# KiCad board half-bridge.kicad_pcb
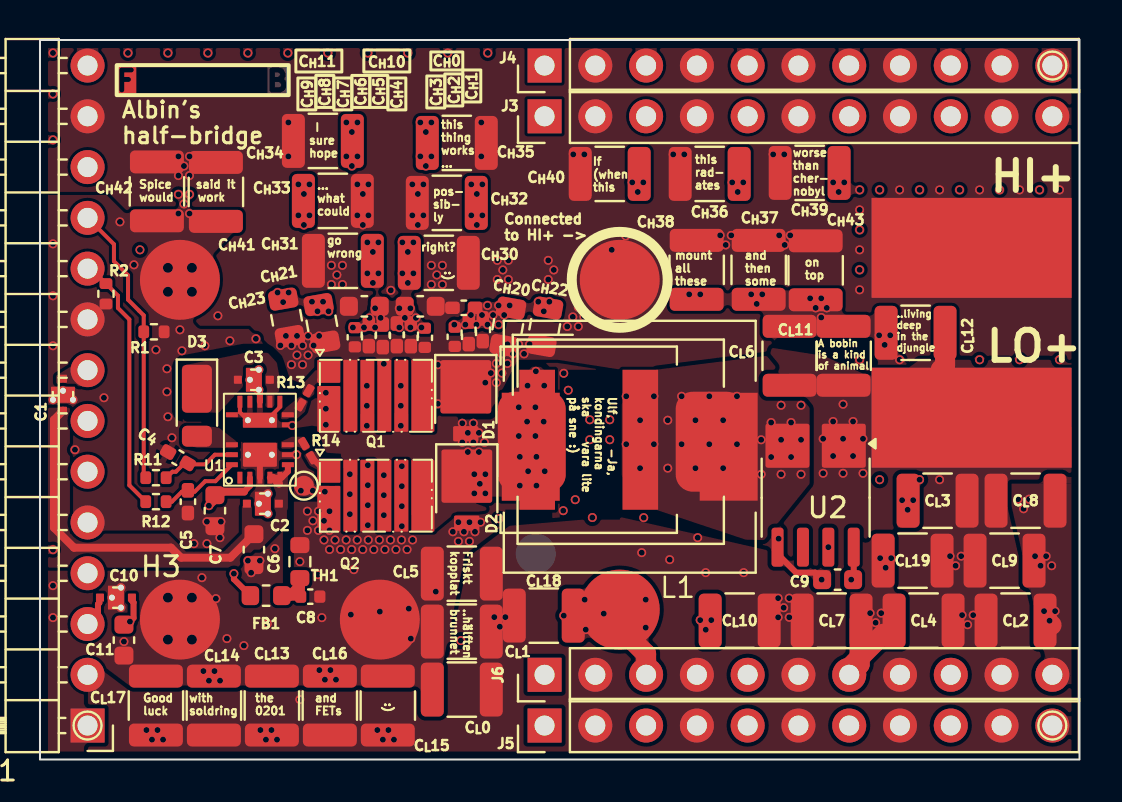
[diagram p0: board, top side]
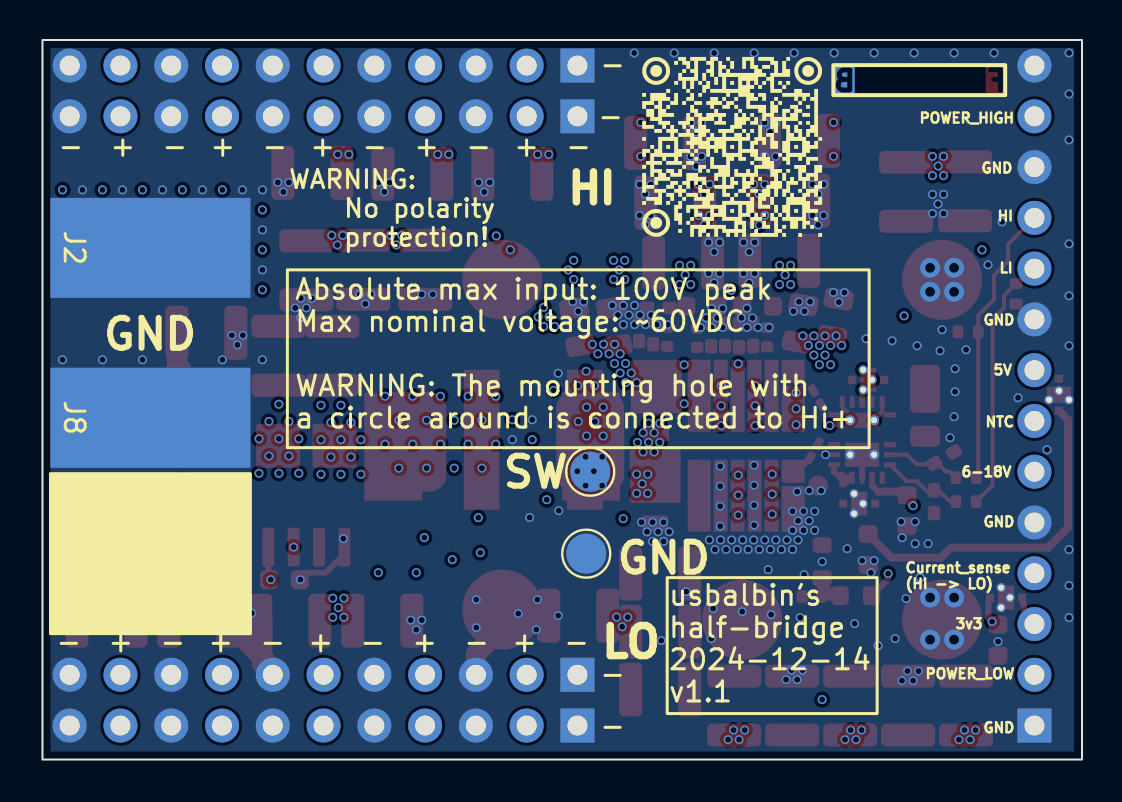
[diagram p1: board, bottom side, seen from below]

Outline 52 x 36 mm; copper layers: Top, In1.Cu, In2.Cu, In3.Cu, In4.Cu, In5.Cu, In6.Cu, Bottom. Coordinates in mm from the lower left corner of the outline.
Outline path: rectangle 0,36 52,0
Stack: Top 0.035mm / dielectric 0.069mm 1080*1 er 3.91 / In1.Cu 0.035mm / dielectric 0.6mm FR4 er 4.5 / In2.Cu 0.03mm / dielectric 0.094mm 2116*1 er 4.16 / In3.Cu 0.03mm / dielectric 0.6mm FR4 er 4.5 / In4.Cu 0.03mm / dielectric 0.069mm 1080*1 er 3.91 / In5.Cu 0.035mm / dielectric 0mm FR4 er 4.5 / In6.Cu 0.035mm / dielectric 0mm FR4 er 4.5 / Bottom 0.035mm

## Placement (name value [footprint] x y rotation side)
C1  YFF18PW0J474M  [C_0603_1608Metric_Feedthrough_W_0.45Vias]  1.15 18.25 270 top
C2  YFF18PW0J474M  [C_0603_1608Metric_Feedthrough_W_0.45Vias]  11.15 12.8 0 top
C3  YFF18PW0J474M  [C_0603_1608Metric_Feedthrough_W_0.45Vias]  10.7 19 0 top
C4  ?pF  [C_0402_1005Metric_Pad0.74x0.62mm_HandSolder]  6.9 15.1 150 top
C5  ?pF  [C_0402_1005Metric_Pad0.74x0.62mm_HandSolder]  7.4 12.9 270 top
C6  10u  [C_0603_1608Metric]  10.7 10.5 270 top
C7  10u  [C_0603_1608Metric]  8.75 12.45 270 top
C8  100nF  [C_0402_1005Metric]  13.52 8.15 0 top
C9  C_Small  [C_0603_1608Metric]  39.9 9 0 top
C10  YFF18PW0J474M  [C_0603_1608Metric_Feedthrough_W_0.45Vias]  3.8 8.1 0 top
C11  10u  [C_0603_1608Metric]  4.2 5.97 270 top
C_{H}0  cap=64nF esr=16.09m srf=17.58MEG  [C_0402_1005Metric_Pad0.74x0.62mm_HandSolder]  21.2 22.6 0 top
C_{H}1  cap=64nF esr=16.09m srf=17.58MEG  [C_0402_1005Metric_Pad0.74x0.62mm_HandSolder]  22.15 21.5 90 top
C_{H}2  cap=64nF esr=16.09m srf=17.58MEG  [C_0402_1005Metric_Pad0.74x0.62mm_HandSolder]  21.45 21.35 90 top
C_{H}3  cap=64nF esr=16.09m srf=17.58MEG  [C_0402_1005Metric]  20.75 21.15 90 top
C_{H}4  cap=64nF esr=16.09m srf=17.58MEG  [C_0402_1005Metric]  19.25 21.1 90 top
C_{H}5  cap=64nF esr=16.09m srf=17.58MEG  [C_0402_1005Metric_Pad0.74x0.62mm_HandSolder]  18.55 21.25 90 top
C_{H}6  cap=64nF esr=16.09m srf=17.58MEG  [C_0402_1005Metric_Pad0.74x0.62mm_HandSolder]  17.85 21.25 90 top
C_{H}7  cap=64nF esr=16.09m srf=17.58MEG  [C_0402_1005Metric_Pad0.74x0.62mm_HandSolder]  17.15 21.2 90 top
C_{H}8  cap=64nF esr=16.09m srf=17.58MEG  [C_0402_1005Metric_Pad0.74x0.62mm_HandSolder]  16.45 21.25 90 top
C_{H}9  cap=64nF esr=16.09m srf=17.58MEG  [C_0402_1005Metric]  15.75 21.12 90 top
C_{H}10  cap=64nF esr=16.09m srf=17.58MEG  [C_0603_1608Metric]  19.02 22.67 180 top
C_{H}11  cap=64nF esr=16.09m srf=17.58MEG  [C_0603_1608Metric]  16.22 22.67 0 top
C_{H}20  10nF  [C_0805_2012Metric]  23.4 21.65 80 top
C_{H}21  10nF  [C_0805_2012Metric]  14.1 21.83 100 top
C_{H}22  10nF  [C_0805_2012Metric]  25.25 21.65 80 top
C_{H}23  cap=10nF esr=26.96 srf=43.8  [C_0805_2012Metric]  12.34 22.1 100 top
C_{H}30  10uF  [C_1210_3225Metric]  19.95 24.85 180 top
C_{H}31  10uF  [C_1210_3225Metric]  15.15 24.95 0 top
C_{H}32  10uF  [C_1210_3225Metric]  20.35 27.85 0 top
C_{H}33  10uF  [C_1210_3225Metric]  14.65 27.95 180 top
C_{H}34  10uF  [C_1210_3225Metric]  14.15 30.95 0 top
C_{H}35  10uF  [C_1210_3225Metric]  20.85 30.85 180 top
C_{H}36  10uF  [C_1210_3225Metric]  33.5 29.3 0 top
C_{H}37  10uF  [C_1210_3225Metric]  35.95 24.5 270 top
C_{H}38  10uF  [C_1210_3225Metric]  32.85 24.5 270 top
C_{H}39  10uF  [C_1210_3225Metric]  38.5 29.35 0 top
C_{H}40  10uF  [C_1210_3225Metric]  28.5 29.3 0 top
C_{H}41  10uF  [C_1210_3225Metric]  8.8 28.4 270 top
C_{H}42  10uF  [C_1210_3225Metric]  5.85 28.42 270 top
C_{H}43  10uF  [C_1210_3225Metric]  38.8 24.47 270 top
C_{L}0  10uF  [C_1210_3225Metric]  21.1 3.5 180 top
C_{L}1  10uF  [C_1210_3225Metric]  21.1 6.4 180 top
C_{L}2  10uF  [C_1210_3225Metric]  48.8 6.95 0 top
C_{L}3  10uF  [C_1210_3225Metric]  44.9 12.95 180 top
C_{L}4  10uF  [C_1210_3225Metric]  44.2 6.95 180 top
C_{L}5  10uF  [C_1210_3225Metric]  21.1 9.3 180 top
C_{L}6  10uF  [C_1210_3225Metric]  37.5 20.2 90 top
C_{L}7  10uF  [C_1210_3225Metric]  39.6 6.95 0 top
C_{L}8  10uF  [C_1210_3225Metric]  49.3 12.95 0 top
C_{L}9  10uF  [C_1210_3225Metric]  48.25 9.95 0 top
C_{L}10  10uF  [C_1210_3225Metric]  35 6.95 180 top
C_{L}11  10uF  [C_1210_3225Metric]  40.2 20.2 90 top
C_{L}12  10uF  [C_1210_3225Metric]  43.8 21.35 180 top
C_{L}13  10uF  [C_1210_3225Metric]  11.6 2.7 90 top
C_{L}14  10uF  [C_1210_3225Metric]  8.7 2.7 90 top
C_{L}15  10uF  [C_1210_3225Metric]  17.4 2.7 90 top
C_{L}16  10uF  [C_1210_3225Metric]  14.5 2.7 90 top
C_{L}17  10uF  [C_1210_3225Metric]  5.8 2.7 90 top
C_{L}18  10uF  [C_1210_3225Metric]  25.2 7.2 0 top
C_{L}19  10uF  [C_1210_3225Metric]  43.65 9.95 180 top
D1  D_Schottky  [D_SMP_DO-220AA]  21.3 17.95 270 top
D2  D_Schottky  [D_SMP_DO-220AA]  21.35 13.48 270 top
D3  DFLS1200  [D_PowerDI-123]  7.85 17.7 270 top
FB1  FerriteBead  [L_0603_1608Metric]  11.31 8.2 0 top
FID1  Fiducial  [TestPoint_Pad_D1.0mm]  50.64 34.72 0 top
FID2  Fiducial  [TestPoint_Pad_D1.0mm]  50.64 1.7 0 top
FID3  Fiducial  [TestPoint_Pad_D1.0mm]  2.38 1.7 0 top
G***  LOGO  [qr]  17.5 30.65 180 bottom
H1  WE 97730256330  [Mounting_Wuerth_WA-SMSI-M1.6_H2.5mm_ThreadDepth1.5mm_NoNPTH_97730256330]  7 24 0 top
H2  WE 97730256330  [Mounting_Wuerth_WA-SMSI-M1.6_H2.5mm_ThreadDepth1.5mm_NoNPTH_97730256330]  29 24 0 top
H3  WE 97730256330  [Mounting_Wuerth_WA-SMSI-M1.6_H2.5mm_ThreadDepth1.5mm_NoNPTH_97730256330]  7 7 0 top
H4  WE 97730256330  [Mounting_Wuerth_WA-SMSI-M1.6_H2.5mm_ThreadDepth1.5mm_NoNPTH_97730256330]  17 7 0 top
H5  WE 97730256330  [Mounting_Wuerth_WA-SMSI-M1.6_H2.5mm_ThreadDepth1.5mm_NoNPTH_97730256330]  29 7.5 0 top
J1  Conn_01x14  [PinHeader_1x14_P2.54mm_Horizontal]  2.38 1.7 180 top
J2  MountingHole_Pad  [SolderWirePad_1x01_SMD_5x10mm]  46.6 25.6 90 bottom
J3  Conn_01x11_Pin  [PinHeader_1x11_P2.54mm_Vertical]  25.24 32.18 90 top
J4  Conn_01x11_Pin  [PinHeader_1x11_P2.54mm_Vertical]  25.24 34.72 90 top
J5  Conn_01x11_Pin  [PinHeader_1x11_P2.54mm_Vertical]  25.24 1.7 90 top
J6  Conn_01x11_Pin  [PinHeader_1x11_P2.54mm_Vertical]  25.24 4.24 90 top
J7  MountingHole_Pad  [SolderWirePad_1x01_SMD_5x10mm]  46.6 25.6 90 top
J8  MountingHole_Pad  [SolderWirePad_1x01_SMD_5x10mm]  46.6 17.1 90 bottom
J9  MountingHole_Pad  [SolderWirePad_1x01_SMD_5x10mm]  46.6 17.1 90 top
L1  ind=1.76uH esr=9.77m epc=9.28pF  [L_Coilcraft_XAL8080-XXX]  27.45 16 0 top
L4  ~  [L_Wuerth_WE-PD-Typ-LS]  29.5 15.65 0 top  (not fitted)
L5  ~  [L_Bourns_SRP1050WA]  29.05 15.9 0 top  (not fitted)
Q1  EPC2306  [EPC PQFN 3x5 mm]  16.8 18.2 0 top
Q2  EPC2306  [EPC PQFN 3x5 mm]  16.8 13.2 0 top
R1  10k  [R_0402_1005Metric]  5.7 21.4 180 top
R2  10k  [R_0402_1005Metric]  3.3 23.3 90 top
R11  100R  [R_0402_1005Metric]  5.8 14.1 0 top
R12  100R  [R_0402_1005Metric]  5.8 12.9 0 top
R13  2R  [R_0201_0603Metric_Pad0.64x0.40mm_HandSolder]  13.24 18.1 60 top
R14  2R  [R_0201_0603Metric_Pad0.64x0.40mm_HandSolder]  13.4 15.45 300 top
TH1  Thermistor_NTC  [R_0603_1608Metric]  13 9.9 90 top
TP1  TestPoint  [TestPoint_Pad_D2.0mm]  24.6 14.4 180 bottom
TP2  TestPoint  [TestPoint_Pad_D2.0mm]  24.8 10.3 180 bottom
TP3  TestPoint  [TestPoint_Pad_D1.0mm#2]  13.2 13.7 0 top
U1  LMG1210  [lmg1210]  11 16 0 top
U2  ACS37030  [ACS3703x]  38.8 13.1 270 top

## Library data of the parts
C1-C3 C10 = -: Datasheet: https://product.tdk.com/system/files/dam/doc/product/emc/emc/3tf/catalog/3tf_commercial_power_yff-p_en.pdf; Sim.Device: C; Sim.Pins: 1=+ 2=-; Sim.Params: c=100n; MFR: TDK; part-num: YFF18PW0J474MT0H0N
C4 C5 = -: ki_fp_filters: C_*
C6 C7 C11 = -: Sim.Device: C; Sim.Pins: 1=+ 2=-; ki_fp_filters: C_*
C8 C9 = -: Description: Unpolarized capacitor, small symbol; ki_fp_filters: C_*
C_{H}0-C_{H}11 = -: Datasheet: https://www.mouser.se/datasheet/2/396/MBA07_e-3369865.pdf; Sim.Device: SUBCKT; Sim.Pins: 1=1 2=4; Sim.Library: /home/albin/hw-half-bridge/sim/albins_lib.lib; Sim.Name: C_with_parasitics_srf; MFR: TAIYO YUDEN; part-num: MBASH168SC7224KTCA01; ki_fp_filters: C_*
C_{H}20-C_{H}22 = -: Datasheet: https://product.tdk.com/system/files/dam/doc/product/capacitor/ceramic/mlcc/catalog/mlcc_commercial_midvoltage_en.pdf; Sim.Device: SUBCKT; Sim.Library: /home/albin/hw-half-bridge/sim/albins_lib.lib; Sim.Name: C_with_parasitics_srf; Sim.Params: cap=10nF esr=26.96 srf=43.8; Sim.Pins: 1=1 2=4; MFR: TDK; part-num: C2012X7R2A225K125AC; ki_fp_filters: C_*
C_{H}23 = -: Datasheet: https://product.tdk.com/system/files/dam/doc/product/capacitor/ceramic/mlcc/catalog/mlcc_commercial_midvoltage_en.pdf; Sim.Device: SUBCKT; Sim.Library: /home/albin/hw-half-bridge/sim/albins_lib.lib; Sim.Name: C_with_parasitics_srf; Sim.Pins: 1=1 2=4; MFR: TDK; part-num: C2012X7R2A225K125AC; ki_fp_filters: C_*
C_{H}30-C_{H}39 C_{L}0-C_{L}19 = -: Datasheet: https://www.mouser.se/datasheet/2/281/1/GRM32EC72A106ME05_01A-1988110.pdf; Sim.Device: SUBCKT; Sim.Library: /home/albin/hw-half-bridge/sim/albins_lib.lib; Sim.Name: C_with_parasitics_srf; Sim.Params: cap=2524nF esr=2.5m srf=1.3MEG; Sim.Pins: 1=1 2=4; MFR: Murata; part-num: GRM32EC72A106ME05L; ki_fp_filters: C_*
C_{H}40 = -: Datasheet: https://www.mouser.se/datasheet/2/281/1/GRM32EC72A106ME05_01A-1988110.pdf; Sim.Device: SUBCKT; Sim.Library: /home/albin/hw-half-bridge/sim/albins_lib.lib; Sim.Name: C_with_parasitics_srf; Sim.Pins: 1=1 2=4; Sim.Params: cap=2524nF esr=2.5m srf=1.3MEG; MFR: Murata; part-num: GRM32EC72A106ME05L; ki_fp_filters: C_*
C_{H}41 C_{H}42 = -: Datasheet: https://www.mouser.se/datasheet/2/281/1/GRM32EC72A106ME05_01A-1988110.pdf; Sim.Device: SUBCKT; Sim.Pins: 1=1 2=4; Sim.Library: /home/albin/hw-half-bridge/sim/albins_lib.lib; Sim.Name: C_with_parasitics_srf; Sim.Params: cap=2524nF esr=2.5m srf=1.3MEG; MFR: Murata; part-num: GRM32EC72A106ME05L; ki_fp_filters: C_*
C_{H}43 = -: Datasheet: https://www.mouser.se/datasheet/2/281/1/GRM32EC72A106ME05_01A-1988110.pdf; Sim.Device: SUBCKT; Sim.Pins: 1=1 2=4; Sim.Library: /home/albin/hw-half-bridge/sim/albins_lib.lib; Sim.Name: C_with_parasitics_srf; MFR: Murata; Sim.Params: cap=2640nF esr=3m srf=2MEG; part-num: GRM32EC72A106ME05L; ki_fp_filters: C_*
D1 D2 = -: Datasheet: https://www.vishay.com/docs/87465/v3pm10.pdf; Description: Schottky diode; MFR: Vishay General Semiconductor; part-num: V3PM10-M3/H; ki_fp_filters: TO-???* *_Diode_* *SingleDiode* D_*
D3 = -: Datasheet: https://www.diodes.com/assets/Datasheets/ds30628.pdf; Sim.Library: /home/albin/hw-half-bridge/sim/Diodes/DFLS1200.spice.txt; Sim.Name: DI_DFLS1200; Sim.Device: D; Sim.Pins: 1=K 2=A; Sim.Params: temp=50; MFR: Diodes Incorporated; part-num: DFLS1200-7; ki_fp_filters: TO-???* *_Diode_* *SingleDiode* D_*
FB1 = -: Description: Ferrite bead; ki_fp_filters: Inductor_* L_* *Ferrite*
FID1-FID3 = -: Description: Fiducial Marker; ki_fp_filters: Fiducial*
H1-H5 = -: Datasheet: https://www.we-online.com/components/products/datasheet/97730256330R.pdf; Description: Mounting Hole with connection; MFR: Wurth Elektronik; part-num: 97730256330R; ki_fp_filters: MountingHole*Pad*
J1 = -: Description: Generic connector, single row, 01x14, script generated (kicad-library-utils/schlib/autogen/connector/); ki_fp_filters: Connector*:*_1x??_*
J2 J7-J9 = -: Description: Mounting Hole with connection; ki_fp_filters: MountingHole*Pad*
J3-J6 = -: ki_fp_filters: Connector*:*_1x??_*
L1 = -: Datasheet: https://www.mouser.se/datasheet/2/597/xal8080-270752.pdf; Field4: XAL8080-222ME kanske?; Sim.Device: SUBCKT; Sim.Library: /home/albin/hw-half-bridge/sim/albins_lib.lib; Sim.Name: L_with_parasitics; Sim.Pins: 1=1 2=3; MFR: Coilcraft; part-num: XAL8080-222MED; ki_fp_filters: Choke_* *Coil* Inductor_* L_*
L4 = -: Field4: XAL8080-472ME kanske?; Sim.Device: SUBCKT; Sim.Params: ind=3.75uH esr=9.77m epc=9.28pF; Sim.Pins: 1=1 2=3; Sim.Library: /home/albin/hw-half-bridge/sim/albins_lib.lib; Sim.Name: L_with_parasitics; ki_fp_filters: Choke_* *Coil* Inductor_* L_*
L5 = -: ki_fp_filters: Choke_* *Coil* Inductor_* L_*
Q1 Q2 = -: Datasheet: https://epc-co.com/epc/Portals/0/epc/documents/datasheets/EPC2306_datasheet.pdf; Sim.Device: SUBCKT; Sim.Pins: 1=gatein 2=sourcein 3=drainin; Sim.Library: /home/albin/hw-half-bridge/sim/EPC/EPCGaNLibrary.lib; MFR: EPC; part-num: EPC2306ENGRT
R1 R2 R11-R14 = -: ki_fp_filters: R_*
TH1 = -: Description: Temperature dependent resistor, negative temperature coefficient; ki_fp_filters: *NTC* *Thermistor* PIN?ARRAY* bornier* *Terminal?Block* R_*
TP1-TP3 = -: Description: test point; ki_fp_filters: Pin* Test*
U1 = -: Datasheet: https://www.ti.com/lit/ds/symlink/lmg1210.pdf; Sim.Library: /home/albin/hw-half-bridge/sim/texas/LMG1210_TRANS.lib; Sim.Device: SUBCKT; Sim.Pins: 1=NC_0 2=VIN 3=VSS_0 4=VCC 5=DHL 6=DLH 7=VSS_1 8=LO 9=HS_0 10=HO 11=NC_1 12=HB 13=HS_1 14=HS_3 15=NC_2 16=HS_2 17=BST 18=EN_HI 19=PWM_LI 20=LS_DAP 21=HS_DAP; MFR: Texas Instruments; part-num: LMG1210RVRR; ki_fp_filters: SOIC*3.9x9.9*P1.27mm*
U2 = -: Datasheet: https://www.mouser.se/datasheet/2/1115/Allegro_MicroSystems_01032024_ACS37030_32_Datashee-3377488.pdf; Description: DC to 5 MHz Bandwidth, Galvanically Isolated, High-Accuracy Current Sensor IC with Reference Output (ACS37030) or Fault (ACS37032); ki_fp_filters: ACS3703x

## Footprints (pads in the part's own frame, mm; a bottom-side part is the same pattern mirrored in y, then rotated)
ACS3703x
  rrect 2.2x2.2 smd: 1(-2.6,1.41) 2(-2.6,-1.41)
  rrect 1.95x0.6 smd: 3(2.475,-1.905) 4(2.475,-0.635) 5(2.475,0.635) 6(2.475,1.905)
C_0402_1005Metric
  rrect 0.56x0.62 smd: 1(-0.48,0) 2(0.48,0)
C_0402_1005Metric_Pad0.74x0.62mm_HandSolder
  rrect 0.735x0.62 smd: 1(-0.568,0) 2(0.568,0)
C_0603_1608Metric
  rrect 0.9x0.95 smd: 1(-0.775,0) 2(0.775,0)
C_0603_1608Metric_Feedthrough_W_0.45Vias
  rrect 0.4x0.4 smd: 1(-0.8,0) 3(0.8,0)
  round 0.45 hole 0.3: 2(-0.2,0) 2(0.25,0.5) 2(0.25,-0.5)
  rrect 0.8x0.4 smd: 2(0,0.4) 2(0,-0.4)
  rrect 0.8x0.5 smd: 2(0,0)
C_0805_2012Metric
  rrect 1x1.45 smd: 1(-0.95,0) 2(0.95,0)
C_1210_3225Metric
  rrect 1.15x2.7 smd: 1(-1.475,0) 2(1.475,0)
D_PowerDI-123
  rrect 2.4x1.5 smd: 1(-0.85,0)
  rrect 1.05x1.5 smd: 2(1.525,0)
D_SMP_DO-220AA
  rrect 2.67x2.54 smd: 1(-0.699,0)
  rrect 0.762x1.27 smd: 2(1.653,0)
EPC PQFN 3x5 mm
  rrect 0.275x0.37 smd: (-2.64,0.975) (-2.64,0.225) (-2.64,-0.325) (-2.64,-0.975) (2.64,0.975) (2.64,0.325) (2.64,-0.325) (2.64,-0.975)
  rrect 0.29x0.37 smd: (-2.555,0.975) (-2.555,-0.325) (-2.555,-0.975) (2.555,0.975) (2.555,0.325) (2.555,-0.325) (2.555,-0.975)
  rrect 0.32x0.37 smd: (-2.54,0.225)
  rrect 0.47x0.985 smd: (-2.175,1.207)
  rrect 0.47x2.075 smd: (-2.175,-0.663)
  rrect 0.4x0.975 smd: (-2.123,1.216)
  rrect 0.4x0.9 smd: (-2.123,-0.05)
  rrect 0.4x1 smd: (-2.123,-1.2) (2.123,1.2) (2.123,0) (2.123,-1.2)
  rrect 0.26x1.5 smd: (-1.275,0.95) (-1.275,-0.95) (-0.425,0.95) (-0.425,-0.95) (0.425,0.95) (0.425,-0.95) (1.275,0.95) (1.275,-0.95)
  rrect 0.37x3.4 smd: (-1.275,0) (-0.425,0) (0.425,0) (1.275,0)
  rrect 0.47x3.4 smd: (2.175,0)
  rrect 1.152x1.15 smd: 1(-2.352,1.222)
  rrect 1.152x2.29 smd: 2(-2.352,-0.658)
  rrect 0.7x3.6 smd: 3(-1.275,0) 4(-0.425,0) 5(0.425,0) 6(1.275,0)
  rrect 1.152x3.6 smd: 7(2.352,0)
L_0603_1608Metric
  rrect 0.875x0.95 smd: 1(-0.787,0) 2(0.787,0)
L_Bourns_SRP1050WA
  rrect 3.4x5 smd: 1(-4.45,0) 2(4.45,0)
L_Coilcraft_XAL8080-XXX
  rect 1.78x7 smd: 1(-2.58,0) 2(2.58,0)
L_Wuerth_WE-PD-Typ-LS
  rect 2.9x5.4 smd: 1(-4.95,0) 2(4.95,0)
lmg1210
  rrect 0.25x0.6 smd: 1(-1,-1.9) 2(-0.5,-1.9) 3(0,-1.9) 4(0.5,-1.9) 5(1,-1.9) 11(1,1.9) 12(0.5,1.9) 13(0,1.9) 14(-0.5,1.9) 15(-1,1.9)
  rrect 0.6x0.25 smd: 6(1.4,-1.25) 7(1.4,-0.75) 8(1.4,-0.25) 9(1.4,0.75) 10(1.4,1.25) 16(-1.4,1.25) 17(-1.4,-0.25) 18(-1.4,-0.75) 19(-1.4,-1.25)
  round 0.5 hole 0.3: 20(-0.6,-0.75) 20(0.6,-0.75) 21(-0.6,0.975) 21(0.6,0.975)
  rrect 1.7x1.2 smd: 20(0,-0.75)
  rrect 1.7x0.75 smd: 21(0,0.975)
Mounting_Wuerth_WA-SMSI-M1.6_H2.5mm_ThreadDepth1.5mm_NoNPTH_97730256330
  custom 1.733x1.733 smd: (-0.778,0.778) (-0.778,-0.778) (0.778,0.778) (0.778,-0.778)
  round 4 smd: 1(0,0)
PinHeader_1x11_P2.54mm_Vertical
  rect 1.7x1.7 hole 1: 1(0,0)
  oval 1.7x1.7 hole 1: 2(0,-2.54) 3(0,-5.08) 4(0,-7.62) 5(0,-10.16) 6(0,-12.7) 7(0,-15.24) 8(0,-17.78) 9(0,-20.32) 10(0,-22.86) 11(0,-25.4)
PinHeader_1x14_P2.54mm_Horizontal
  rect 1.7x1.7 hole 1: 1(0,0)
  oval 1.7x1.7 hole 1: 2(0,-2.54) 3(0,-5.08) 4(0,-7.62) 5(0,-10.16) 6(0,-12.7) 7(0,-15.24) 8(0,-17.78) 9(0,-20.32) 10(0,-22.86) 11(0,-25.4) 12(0,-27.94) 13(0,-30.48) 14(0,-33.02)
R_0201_0603Metric_Pad0.64x0.40mm_HandSolder
  rrect 0.458x0.36 smd: (-0.432,0) (0.432,0)
  rrect 0.635x0.4 smd: 1(-0.407,0) 2(0.407,0)
R_0402_1005Metric
  rrect 0.54x0.64 smd: 1(-0.51,0) 2(0.51,0)
R_0603_1608Metric
  rrect 0.8x0.95 smd: 1(-0.825,0) 2(0.825,0)
SolderWirePad_1x01_SMD_5x10mm
  rect 5x10 smd: 1(0,0)
TestPoint_Pad_D1.0mm
  round 1 smd: (0,0)
TestPoint_Pad_D1.0mm#2
  round 1 smd: 1(0,0)
TestPoint_Pad_D2.0mm
  round 2 smd: 1(0,0)

## Nets
+3V3: C9.2 C10.3 C11.1 U2.6
+5V: C1.3 C2.1 C2.3 C6.1 U1.4 U1.5 U1.6
0: C1.2 C2.2 C4.2 C5.2 C6.2 C7.2 C8.2 C9.1 C10.2 C11.2 C_{H}0.2 C_{H}1.2 C_{H}2.2 C_{H}3.2 C_{H}4.2 C_{H}5.2 C_{H}6.2 C_{H}7.2 C_{H}8.2 C_{H}9.2 C_{H}10.2 C_{H}11.2 C_{H}20.2 C_{H}21.2 C_{H}22.2 C_{H}23.2 C_{H}30.2 C_{H}31.2 C_{H}32.2 C_{H}33.2 C_{H}34.2 C_{H}35.2 C_{H}36.2 C_{H}37.2 C_{H}38.2 C_{H}39.2 C_{H}40.2 C_{H}41.2 C_{H}42.2 C_{H}43.2 C_{L}0.2 C_{L}1.2 C_{L}2.2 C_{L}3.2 C_{L}4.2 C_{L}5.2 C_{L}6.2 C_{L}7.2 C_{L}8.2 C_{L}9.2 C_{L}10.2 C_{L}11.2 C_{L}12.2 C_{L}13.2 C_{L}14.2 C_{L}15.2 C_{L}16.2 C_{L}17.2 C_{L}18.2 C_{L}19.2 D2.2 H1.1 H3.1 H4.1 H5.1 J1.1 J1.5 J1.9 J1.12 J1.14 J2.1 J3.1 J3.3 J3.5 J3.7 J3.9 J3.11 J4.1 J4.3 J4.5 J4.7 J4.9 J4.11 J5.1 J5.3 J5.5 J5.7 J5.9 J5.11 J6.1 J6.3 J6.5 J6.7 J6.9 J6.11 J8.1 Q2.2 Q2.4 Q2.6 R1.1 R2.1 TH1.2 TP2.1 TP3.1 U1.3 U1.7 U1.20 U2.3
6-18V: C7.1 J1.6 U1.2
/HI: J1.11 R1.2 R11.1
/HO: R13.1 U1.10
/I_Shunt: L1.2 L4.2 L5.2 U2.2
/LI: J1.10 R2.2 R12.1
/LO: R14.1 U1.8
Current_sense: J1.4 U2.5
Gate_hi: Q1.1 R13.2
Gate_lo: Q2.1 R14.2
NTC: FB1.1 J1.7
POWER_HIGH: C_{H}0.1 C_{H}1.1 C_{H}2.1 C_{H}3.1 C_{H}4.1 C_{H}5.1 C_{H}6.1 C_{H}7.1 C_{H}8.1 C_{H}9.1 C_{H}10.1 C_{H}11.1 C_{H}20.1 C_{H}21.1 C_{H}22.1 C_{H}23.1 C_{H}30.1 C_{H}31.1 C_{H}32.1 C_{H}33.1 C_{H}34.1 C_{H}35.1 C_{H}36.1 C_{H}37.1 C_{H}38.1 C_{H}39.1 C_{H}40.1 C_{H}41.1 C_{H}42.1 C_{H}43.1 D1.1 H2.1 J1.13 J3.2 J3.4 J3.6 J3.8 J3.10 J4.2 J4.4 J4.6 J4.8 J4.10 J7.1 Q1.3 Q1.5 Q1.7
POWER_LOW: C_{L}0.1 C_{L}1.1 C_{L}2.1 C_{L}3.1 C_{L}4.1 C_{L}5.1 C_{L}6.1 C_{L}7.1 C_{L}8.1 C_{L}9.1 C_{L}10.1 C_{L}11.1 C_{L}12.1 C_{L}13.1 C_{L}14.1 C_{L}15.1 C_{L}16.1 C_{L}17.1 C_{L}18.1 C_{L}19.1 J1.2 J5.2 J5.4 J5.6 J5.8 J5.10 J6.2 J6.4 J6.6 J6.8 J6.10 J9.1 U2.1
Switch_node: C3.2 D1.2 D2.1 L1.1 L4.1 L5.1 Q1.2 Q1.4 Q1.6 Q2.3 Q2.5 Q2.7 TP1.1 U1.9 U1.11 U1.13 U1.14 U1.15 U1.16 U1.21
Net-(C8-Pad1): C8.1 FB1.2 TH1.1
Net-(D3-A): D3.2 U1.17
Net-(D3-K): C3.1 C3.3 D3.1 U1.12
Net-(J1-Pin_3): C10.1 J1.3
Net-(J1-Pin_8): C1.1 J1.8
Net-(U1-EN/HI): C4.1 R11.2 U1.18
Net-(U1-PWM/LO): C5.1 R12.2 U1.19

Pads without a net: U1 1; U2 4

## Via types
v1: diameter 0.45, hole 0.3, Top to Bottom, 485 vias
v2: diameter 1, hole 0.5, Top to Bottom, 8 vias

## Routing (per net, layer and track width the routed paths; a pad name or vN(x,y) marks a point on that pad's centre or on a via; arc(x,y) is an arc through that point)
+3V3: length 41.7
  Top w0.3: C10.3 4.6,7.94 4.68,7.86 4.68,7.08 v1(4.5,6.9) ; U2.6 40.71,9.12 v1(40.58,9)
  In2.Cu w0.3: v1(40.58,9) 40.24,9 39.24,10 32.4,10 31.38,11.02 24.25,11.02 22.29,9.06 19.58,9.06 18.31,8.28 13.2,7.65 11.33,7.65 10.38,6.7 8.1,6.7 7.95,6.85 6.05,6.85 5.75,6.55 4.85,6.55 v1(4.5,6.9)
+5V: length 18.9
  Top w0.2: 12.4,14.6 U1.6
  Top w0.3: 12.4,14.6 12.4,14.41 12.09,14.1 U1.4
  Top w0.4: C1.3 0.7,17 0.7,11.6 1.7,10.6 6.55,10.6 7.05,10.1 9.53,10.1 C6.1 ; 11.95,13.8 11.65,14.1
0: length 14.3
  Top w0.3: U2.3 36.9,10.28 37.82,9.35 38.78,9.35 39.1,9.03 v1(39.1,9) C9.1 ; U1.3 U1.20
  Top w1: J6.3 30.32,5.28 29,6.6 H5.1 ; 50.28,7.05 50.6,6.72 ; 42.2,6.3 40.48,4.58 J6.7 41,4.76 41,6.97 ; 50.6,4.28 J6.11
  In4.Cu w0.3: 18.1,11 v1(18.08,10.99)
  vias: v1(0.65,35.35) v1(0.65,33.3) v1(0.65,31) v1(0.65,25.8) v1(0.65,23.2) v1(0.65,20.7) v1(0.65,10.5) v1(0.65,8.7) v1(0.65,7.1) v1(1.75,15.5) v1(3.2,18.1) v1(4,26.9) v1(4.2,5.9) v1(4.4,35.35) v1(4.7,24.75) v1(5.8,20.5) v1(6.35,19.55) v1(6.35,18.4) v1(6.4,35.35) v1(6.4,17.15) v1(6.6,16.1) v1(6.92,28.28) v1(6.92,27.32) v1(7,21.5) v1(7.1,20.45) v1(7.2,27.8) v1(7.48,28.28) v1(7.48,27.32) v1(7.7,10.8) v1(8.1,9.1) v1(8.25,20.7) v1(8.17,4.42) v1(8.35,11.9) v1(8.35,10.8) v1(8.4,35.35) v1(8.45,3.95) v1(8.73,4.42) v1(8.8,8.05) v1(9.05,11.9) v1(9,11.1) v1(9.01,3.95) v1(9.35,6.05) v1(9.5,20.95) v1(10.2,5.7) v1(10.4,35.35) v1(10.4,9.95) v1(10.56,9.35) v1(10.8,21.05) v1(11,9.95) v1(11.38,6.8) v1(11.75,10.55) v1(11.88,23.36) v1(12.16,22.89) v1(12.4,35.35) v1(12.44,23.36) v1(12.83,15.25) v1(12.93,28.78) v1(12.93,27.22) v1(13,9.9) v1(13.05,13.45) v1(13.2,28.3) v1(13.2,26.75) v1(13.38,12.42) v1(13.38,11.47) v1(13.48,28.78) v1(13.48,27.22) v1(13.6,22.91) v1(13.65,13.45) v1(13.65,11.95) v1(13.88,22.43) v1(13.93,12.42) v1(13.93,11.47) v1(13.9,9.25) v1(13.97,4.47) v1(14.1,7.1) v1(14.16,22.91) v1(14.25,13.4) v1(14.21,11.95) v1(14.21,10.99) v1(14.25,4) v1(14.4,35.35) v1(14.44,22.43) v1(14.48,12.42) v1(14.48,11.47) v1(14.48,10.51) v1(14.53,4.47) v1(14.76,10.99) v1(14.81,4) v1(15.04,10.51) v1(15.32,31.88) v1(15.32,30.17) v1(15.31,10.99) v1(15.6,31.4) v1(15.6,29.7) v1(15.59,10.51) v1(15.55,7.25) v1(15.65,21.62) v1(15.7,9.5) v1(15.88,31.88) v1(15.88,30.17) v1(15.87,10.99) v1(16.15,10.51) v1(16.21,21.62) v1(16.4,35.35) v1(16.38,25.88) v1(16.38,24.33) v1(16.4,14.72) v1(16.4,13.72) v1(16.4,12.72) v1(16.4,11.72) v1(16.42,10.99) v1(16.48,22.1) v1(16.65,25.4) v1(16.65,23.85) v1(16.7,10.51) v1(16.76,22.58) v1(16.76,21.62) v1(16.93,25.88) v1(16.93,24.33) v1(17.04,22.1) v1(16.98,10.99) v1(17,7.4) v1(17.25,10.51) v1(17.53,10.99) v1(17.81,10.51) v1(17.97,22.58) v1(17.97,21.62) v1(18.12,25.88) v1(18.12,24.33) v1(18.1,14.67) v1(18.1,13.67) v1(18.1,12.67) v1(18.1,11.67) v1(18.25,22.1) v1(18.4,35.35) v1(18.4,25.4) v1(18.4,23.85) v1(18.36,10.51) v1(18.45,7.55) v1(18.53,22.58) v1(18.53,21.62) v1(18.64,10.99) v1(18.55,6.05) v1(18.68,25.88) v1(18.68,24.33) v1(18.81,22.1) v1(19.03,31.88) v1(19.03,30.17) v1(19.08,21.62) v1(19.3,31.4) v1(19.3,29.7) v1(19.58,31.88) v1(19.58,30.17) v1(19.8,8.4) v1(20.4,35.35) v1(20.72,21.76) v1(20.65,11.4) v1(20.93,11.88) v1(20.93,10.92) v1(21.05,5.95) v1(21.21,11.4) v1(21.28,21.76) v1(21.48,11.88) v1(21.48,10.92) v1(21.57,28.78) v1(21.57,27.22) v1(21.56,22.24) v1(21.83,21.76) v1(21.76,11.4) v1(21.85,28.3) v1(21.85,26.75) v1(22.04,11.88) v1(22.13,28.78) v1(22.13,27.22) v1(22.11,22.24) v1(22.4,35.35) v1(22.39,22.72) v1(22.39,21.76) v1(22.66,22.24) v1(22.94,22.72) v1(22.94,21.76) v1(23.22,22.24) v1(23.5,22.72) v1(24.93,22.91) v1(25.2,22.43) v1(25.48,22.91) v1(26.2,19.33) v1(26.18,12.45) v1(26.2,7.2) v1(27.25,8) v1(27.3,6.5) v1(27.5,17) v1(27.63,12.11) v1(28.2,7.3) v1(28.5,16) v1(29.62,28.88) v1(29.9,28.4) v1(30.18,28.88) v1(30.3,8) v1(30.3,6.6) v1(32.47,23.28) v1(33.03,23.28) v1(33.03,6.97) v1(33.3,6.5) v1(33.58,6.97) v1(34.62,28.88) v1(34.9,28.4) v1(35.18,28.88) v1(35.57,23.28) v1(35.85,22.8) v1(36.13,23.28) v1(36.95,11.05) v1(38.53,23.08) v1(38.8,22.6) v1(39.08,23.08) v1(39.08,22.12) v1(39.36,22.6) v1(39.68,28.88) v1(39.95,28.4) v1(40.23,28.88) v1(41,28.5) v1(41,26.5) v1(41,24.5) v1(41,20) v1(41.53,7.33) v1(41.8,6.85) v1(42,28.5) v1(41.97,21.22) v1(42,14) v1(42.03,10.08) v1(42.08,7.33) v1(42.25,20.75) v1(42.3,9.6) v1(42.53,21.22) v1(42.58,10.08) v1(43,20) v1(43.12,12.97) v1(43.4,12.5) v1(43.68,12.97) v1(44,28.5) v1(44,14) v1(46,28.5) v1(47,20) v1(48,28.5) v1(48.93,13.03) v1(49,20) v1(49.2,12.55) v1(49.48,13.03) v1(49.78,10.17) v1(50,28.5) v1(50.05,9.7) v1(50.22,7.42) v1(50.33,10.17) v1(50.5,6.95) v1(50.61,9.7) v1(50.78,7.42) v1(51,20) v2(6.4,24.6) v2(6.4,23.4) v2(6.4,8.1) v2(6.4,6) v2(7.6,24.6) v2(7.6,23.4) v2(7.6,8.1) v2(7.6,6)
6-18V: length 9.6
  Top w0.3: U1.2 10.5,13.69 10.21,13.4
  Top w0.4: 10.21,13.4 9.15,13.4 v1(8.45,12.7)
  In2.Cu w0.4: v1(8.45,12.7) 8.31,12.84 3.94,12.84 3.94,12.84 J1.6
/HI: length 14.2
  Top w0.2: R11.1 5.19,14.2 R1.2 5.19,22.22 4.41,23 4.41,24.22 3.7,24.93 3.7,25.78 J1.11
/I_Shunt:
  vias: v1(29.32,18.17) v1(29.32,15.78) v1(30.02,16.98) v1(30.02,14.58) v1(30.71,18.17) v1(30.71,15.78) v1(31.4,16.98) v1(31.4,14.58) v1(32.09,18.17) v1(32.09,15.78) v1(32.79,16.98) v1(32.79,14.58) v1(33.48,18.17) v1(33.48,15.78) v1(34.17,16.98) v1(34.17,14.58) v1(34.87,18.17) v1(34.87,15.78) v1(36.07,16) v1(36.07,14.27) v1(36.57,16.86) v1(36.57,15.13) v1(37.07,17.72) v1(37.07,16) v1(37.07,14.27) v1(37.57,16.86) v1(37.57,15.13) v1(38.07,17.72) v1(38.07,16) v1(38.07,14.27)
/LI: length 13
  Top w0.2: J1.10 2.55,24.56 3.9,23.21 3.9,22.59 4.47,22.02 4.47,13.72 R12.1
Current_sense: length 40.1
  In2.Cu w0.3: v1(39.44,10.62) 39.21,10.4 32.55,10.4 31.54,11.41 24.09,11.41 22.12,9.45 19.42,9.45 19.35,9.37 18.1,8.65 13.2,8.05 13.19,8.06 10.81,8.06 10.15,7.4 8.1,7.4 7.95,7.25 6.05,7.25 5.75,7.55 5.6,7.55 5.2,7.95 5.2,8.4 4.28,9.32 J1.4
Gate_hi: length 0.6
  Top w0.3: Q1.1 14.01,18.99
Gate_lo: length 1.1
  Top w0.3: R14.2 14.28,14.42 Q2.1
NTC: length 14.6
  Top w0.3: v1(9.7,9.3) 9.7,9.03 FB1.1
  In2.Cu w0.3: J1.7 2.72,16.6 3.78,16.6 4.68,15.7 4.68,14.4 5.65,13.43 8.75,13.43 9.7,12.48 v1(9.7,9.3)
POWER_HIGH:
  vias: v1(5,25.5) v1(6.92,30.17) v1(6.92,29.22) v1(7.2,29.7) v1(7.48,30.17) v1(7.48,29.22) v1(8.9,22.2) v1(12.03,20.72) v1(12.3,21.2) v1(12.43,31.88) v1(12.43,30.17) v1(12.58,20.72) v1(12.58,19.76) v1(12.86,21.2) v1(12.86,20.24) v1(13.13,20.72) v1(13.13,19.76) v1(13.41,21.2) v1(13.41,20.24) v1(13.69,20.72) v1(13.96,21.2) v1(14.57,24.72) v1(14.57,23.77) v1(14.85,24.25) v1(15.13,24.72) v1(15.13,23.77) v1(15.88,28.78) v1(15.88,27.22) v1(16.15,28.3) v1(16.15,26.75) v1(16.43,28.78) v1(16.43,27.22) v1(17.2,19.8) v1(17.55,23.47) v1(18.62,28.78) v1(18.62,27.22) v1(18.9,28.3) v1(18.9,26.75) v1(19.18,28.78) v1(19.18,27.22) v1(19.57,24.72) v1(19.57,23.77) v1(19.85,24.25) v1(19.9,19.75) v1(19.9,17.8) v1(20.13,24.72) v1(20.13,23.77) v1(22.07,31.88) v1(22.07,30.17) v1(22.28,18.86) v1(22.55,19.34) v1(22.83,19.82) v1(22.83,18.86) v1(22.88,24.97) v1(22.88,24.02) v1(22.95,12.05) v1(23.11,20.3) v1(23.11,19.34) v1(23.15,24.5) v1(23.43,24.97) v1(23.43,24.02) v1(23.38,20.78) v1(23.38,19.82) v1(23.66,20.3) v1(23.94,20.78) v1(24.21,20.3) v1(24.49,20.78) v1(25.43,24.97) v1(25.43,24.02) v1(25.7,24.5) v1(26.38,21.67) v1(26.43,18.47) v1(26.68,30.28) v1(26.65,22.15) v1(26.93,22.62) v1(26.93,21.67) v1(27.23,30.28) v1(27.21,22.15) v1(28.5,17) v1(28.6,25.5) v1(29.3,26.2) v1(31.68,30.28) v1(32.23,30.28) v1(34.03,26.22) v1(34.3,25.75) v1(34.58,26.22) v1(36.68,30.28) v1(36.97,26.22) v1(37.23,30.28) v1(37.25,25.75) v1(37.53,26.22) v1(41,27.5) v1(41,25.5) v1(41,23.5) v1(43,28.5) v1(45,28.5) v1(47,28.5) v1(49,28.5) v1(51,28.5)
POWER_LOW: length 3
  Top w1: 45.07,18.43 45.07,19.52 45.28,19.72 C_{L}12.1
  vias: v1(5.33,1.47) v1(5.6,1) v1(5.88,1.47) v1(6.16,1) v1(11.03,1.47) v1(11.3,1) v1(11.58,1.47) v1(11.86,1) v1(13,3) v1(16.88,1.47) v1(17.15,1) v1(17.43,1.47) v1(17.71,1) v1(22.72,7.12) v1(23,6.65) v1(23.28,7.12) v1(26.78,13) v1(27.5,16) v1(30.1,10.35) v1(30.2,12.1) v1(31.5,10) v1(32.9,11.1) v1(33.3,9.35) v1(35.2,9.35) v1(36.93,8.08) v1(36.93,7.12) v1(37.2,7.6) v1(37.48,8.08) v1(37.48,7.12) v1(39.18,16.05) v1(39.18,14.32) v1(39.67,16.91) v1(39.67,15.18) v1(40.17,17.78) v1(40.17,16.05) v1(40.17,14.32) v1(40.67,16.91) v1(40.67,15.18) v1(41.17,16.05) v1(41.17,14.32) v1(45,14) v1(45.53,10.17) v1(45.8,9.7) v1(46.08,10.17) v1(46.12,7.22) v1(46.4,6.75) v1(46.68,7.22)
Switch_node: length 3.6
  Top w0.2: U1.21 10,17.38 U1.15 ; U1.21 11.34,16.97 12,17.63 U1.11
  Top w0.3: C3.2 11,18.3 U1.13 ; 14.58,17.94 14.68,18.05
  In2.Cu w0.3: v1(18.05,18.7) 18.05,18.68
  vias: v1(12.62,16.71) v1(14.3,18.35) v1(14.3,17.55) v1(14.3,16.75) v1(15.5,14.28) v1(15.5,13.28) v1(15.5,12.28) v1(16.35,18.7) v1(16.35,17.7) v1(16.35,16.7) v1(17.2,14.22) v1(17.2,13.22) v1(17.2,12.22) v1(18.05,17.7) v1(18.05,16.7) v1(21.12,16.83) v1(21.12,15.87) v1(21.4,16.35) v1(21.4,15.39) v1(21.68,16.83) v1(21.68,15.87) v1(21.72,14.28) v1(21.72,13.32) v1(21.96,16.35) v1(21.96,15.39) v1(22,13.8) v1(22.23,15.87) v1(22.28,14.28) v1(22.28,13.32) v1(23.95,17.62) v1(23.95,16.19) v1(24,15.14) v1(24,13.7) v1(24.39,18.71) v1(24.37,16.91) v1(24.42,14.42) v1(24.81,19.42) v1(24.78,17.62) v1(24.78,16.19) v1(24.83,15.14) v1(24.83,13.7) v1(25.22,18.71) v1(25.2,16.91) v1(25.25,14.42)
Net-(C8-Pad1): length 3.4
  Top w0.5: TH1.1 13,8.7 12.5,8.2 FB1.2 12.99,8.2 C8.1 13,8.19 TH1.1
Net-(D3-K): length 0
  Top w0.3: C3.3 11.5,18.95
Net-(J1-Pin_3): length 1.9
  Top w0.3: 2.97,8.1 2.97,7.84 2.9,7.77 2.9,7.3 J1.3
  In2.Cu w0.3: J1.3 2.61,6.55
Net-(U1-EN/HI): length 3.6
  Top w0.2: U1.18 8.75,15.25 8.27,14.77 7.17,14.77 6.8,14.4 6.62,14.4 6.42,14.2
Net-(U1-PWM/LO): length 4.1
  Top w0.2: U1.19 8.78,13.92 8.26,13.92 7.74,13.4 7.1,13.4 6.6,12.9 R12.2

## Copper pours and planes (outline as drawn; the poured copper is in the pictures)
+5V on Top: 0.4,17.6 1.5,17.6 1.5,11.3 6.4,11.3 7.3,10.4 9.2,10.4 10.1,11.3 10.1,12.7 10.6,12.7 10.6,12.2 11.7,12.2 11.7,13.7 11.4,13.85 11.4,14.25 11.95,14.35 12.45,14.6 12.45,11.95 11,10.5 10.7,10.5 10.2,10 9.9,9.6 0.4,9.6
0 on Top: 48.35,13.8 50.5,4.2 52,4.2 52.05,13.8
0 on Top, Bottom, In1.Cu, In2.Cu, In3.Cu, In4.Cu, In5.Cu, In6.Cu: 52,36.9 52,-0.2 -7,-0.1 -7,37.1
0 on In4.Cu: 17.8,12.3 13.35,12.35 12.52,9.79 13.4,8.8 15.7,9.4 18.4,10.2 21.6,10.7 22.3,11.5 22,12.3 18.95,14.85
0 on In4.Cu, In6.Cu: 18.75,11.05 19.5,12.25 18.95,14.85 16.05,14.85 16.05,12.35 13.35,12.35 14.4,10.45 18.3,10.45
/HO on Top: 13.25,17.4 12.8,17 12.05,17 12.05,17.4 13.05,18.2 13.45,18.05
/I_Shunt on Top, In2.Cu, In6.Cu: 35.3,11 30.8,12.5 29.1,14.2 29.1,17.8 30.8,19.5 36.35,20.2 38.5,17.6 38.5,13.8 36.23,10.98
/LO on Top: 12.7,15.55 12.05,15.55 12.05,15.9 12.6,16.15 13.23,16.15 13.53,15.63 13.15,15.3
Gate_hi on Top: 13.25,18.9 13.9,19.6 13.9,18.7 13.8,18.35 13.45,18.05 13.05,18.2
POWER_HIGH on Top: 19.65,17.55 18.55,19.95 17.6,19.95 17.4,19.55 17,19.55 16.8,19.95 16.05,19.95 13.86,19.55 13.1,18.8 12.5,19.05 12.1,20.2 11.65,20.65 11.4,20.8 10.5,21.7 8,21.7 6.25,23.55 8.6,25 9.9,26.4 4.4,26.45 4.4,27.4 3.4,28.4 0,28.4 0,36 26.5,36.1 52,36.1 52,20 29.1,19.5 25.9,20 23.9,20 22.5,17.3 20.05,17.55
POWER_HIGH on In2.Cu, In4.Cu, In6.Cu: -7,37.1 -7,21.1 4.1,21.1 8,21.7 10.5,21.7 11.8,20.85 12.15,20.55 12.85,19 13.45,18.5 14.3,18.55 14.45,18.6 15,18.6 16.05,19.6 16.8,19.6 17,19.4 17.4,19.4 17.6,19.6 18.45,19.6 19.55,17.55 20,17.55 20.85,17.35 21.17,17.13 22.5,17.3 23.9,19.7 25.6,19.7 25.6,16.5 29.1,16.5 29.1,17.8 30.8,19.5 39.3,19.7 43.5,16.1 52,12 52,37
POWER_HIGH on In4.Cu, In6.Cu: 7.9,21.7 10.5,21.7 25.6,19.7 25.6,14.15 21.9,10 19.5,9.9 17.8,9.1 13.4,8.2 12,8.2 12,6.8 10.4,5.2 9.3,5.2 8,4.3 5.8,4.3 4.6,5.2 0.4,5.2 0.4,21.1
POWER_HIGH on In6.Cu: 12.05,6.8 13.75,6.8 22.5,8.55 23.9,12.4 12.05,8.2
POWER_LOW on Top: 39.2,20.2 41.37,19.22 42.9,19.2 44,20 51,20 52,14.4 52,-0.1 19.85,0 2.4,0 2.4,5 4.4,3.5 20.1,3.5 21.45,10.15 23.49,11.7 28.95,12.15 36.7,10.4 36.8,12.75 37.3,13.25 37.47,19.3 36.3,19.3 36.6,20.6
POWER_LOW on In2.Cu, In4.Cu, In6.Cu: 24.55,12.8 25.6,14.15 25.6,16.5 29.1,16.5 29.1,17.8 30.8,19.5 36.4,20.3 38.2,20.3 39.3,19.7 43.5,16.1 52,12 52,-0.1 12.05,0 -7,-0.1 -7,5.2 4.6,5.2 5.8,4.3 8,4.3 9.3,5.2 10.4,5.2 12.05,6.8 12.1,8.4 13.3,8.4 17.8,9.1 19.5,9.9 21.9,10 22.8,10.9
POWER_LOW on In4.Cu: 13.3,8.4 14,9 18.4,10.2 21.6,10.7 21.9,10 19.5,9.9 17.8,9.1
Switch_node on Top: 10.15,17.1 9.3,17.15 9.3,17.35 10.35,17.35 10.4,17.95 10.6,17.95 10.65,17.35 10.85,17.35 10.85,18.15 11.15,18.15 11.15,17.35 11.85,17.35 12.1,17.1 13.2,17.7 13.8,18.1 15,17.35 20.85,17.35 21.82,12.8 22.65,12.5 21.9,12.4 20.85,12.4 19.7,11.45 15.1,14.6 15.05,15.3 14.3,15.35 13.85,16.65 13.6,16.7 12.9,16.6 10.15,16.6
Switch_node on Top, In1.Cu, In2.Cu, In3.Cu: 21,16.55 21.17,17 22.3,17.1 22.9,17.5 24.6,19.65 25.05,19.65 25.45,19.25 25.45,14.5 24.85,13.15 21.75,13.15
Switch_node on In1.Cu: 12.1,18.65 12.7,18.45 13.1,18.75 13.9,20.05 15.05,20 15.05,18.9 14.5,18.65 14.5,18 13.97,17.65 13.6,16.7 12.7,16.55 12.2,16.65 10.25,16.65 9.1,17.4 7.1,17.4 7.1,19.7 10.3,20.35 11.4,20.35 11.85,19.85
Switch_node on In2.Cu, In4.Cu: 15,18.6 16.05,19.6 16.8,19.6 17,19.4 17.4,19.4 17.6,19.6 18.45,19.6 19.55,17.5 20.05,17.5 20.85,17.35 22,16.58 22.3,15.54 22.45,13.75 22.28,13.03 21.38,13.03 20.35,14.25 19.75,15 17.85,15 17.7,14.85 17.7,11.6 17.55,11.45 15.35,11.45 15.2,11.6 15.2,14.95 14.15,15.85 14.15,18
Net-(D3-A) on Top: 8.95,16.6 8.2,16.7 7.2,15.75 7.85,15.6 9,15.6 9.85,15.55 9.85,15.9
Net-(D3-K) on Top: 7.1,19.7 10.3,20.35 11.4,20.35 11.85,19.85 12,19.05 11.9,17.6 11.25,17.6 11.25,18.6 10.1,18.6 8.95,17.35 7.1,17.4
Net-(J1-Pin_8) on Top: 2.4,18.7 0.8,18.6 0.8,19.2 2.4,20.2

Small or netless copper shapes (teardrops, artwork), in the pictures only: 1 on Top

## Text on the board
Bottom: B
B.Silkscreen: LI | HI | 5V | NTC | GND | 6-18V | 3v3 | POWER_LOW | POWER_HIGH | Current_sense / (HI -> LO) | WARNING: / No polarity / protection! | usbalbin's / half-bridge / 2024-12-14 / v1.1 | - | + | Absolute max input: 100V peak / Max nominal voltage: ~60VDC / WARNING: The mounting hole with / a circle around is connected to Hi+ | SW | LO
User.Drawings: <--- Add extra isolation
Top: F
F.Silkscreen: A bobin / is a kind / of animal | ..living / deep / in the / djungle | :) | Friskt / kopplat | ..hälften / brunnet | Spice    said it / would    work | Good / luck | with / soldring | the / 0201 | I / sure / hope | and / FETs | ... / what / could | go / wrong | right? | pos- / sib- / ly | this / thing / works / ... | If / (when / this | mount / all / these | this / rad- / ates | and / then / some | worse / than / cher- / nobyl | on / top | Ulf,     -Ja, / kondingarna / ska    vara lite / på sne :) | Connected / to HI+ -> | Albin's / half-bridge | LO+ | HI+
In1.Cu: 1
In2.Cu: 2
In3.Cu: 3
In4.Cu: 4
In5.Cu: 5
In6.Cu: 6
User.1: Switch_node | POWER_HIGH | 0 | Switch_node / 1.5 | /I_Shunt / 2.5 | /I_Shunt / 1.8 | POWER_LOW / 1.8
